# KiCad board Lime_RFE.kicad_pcb (continued)
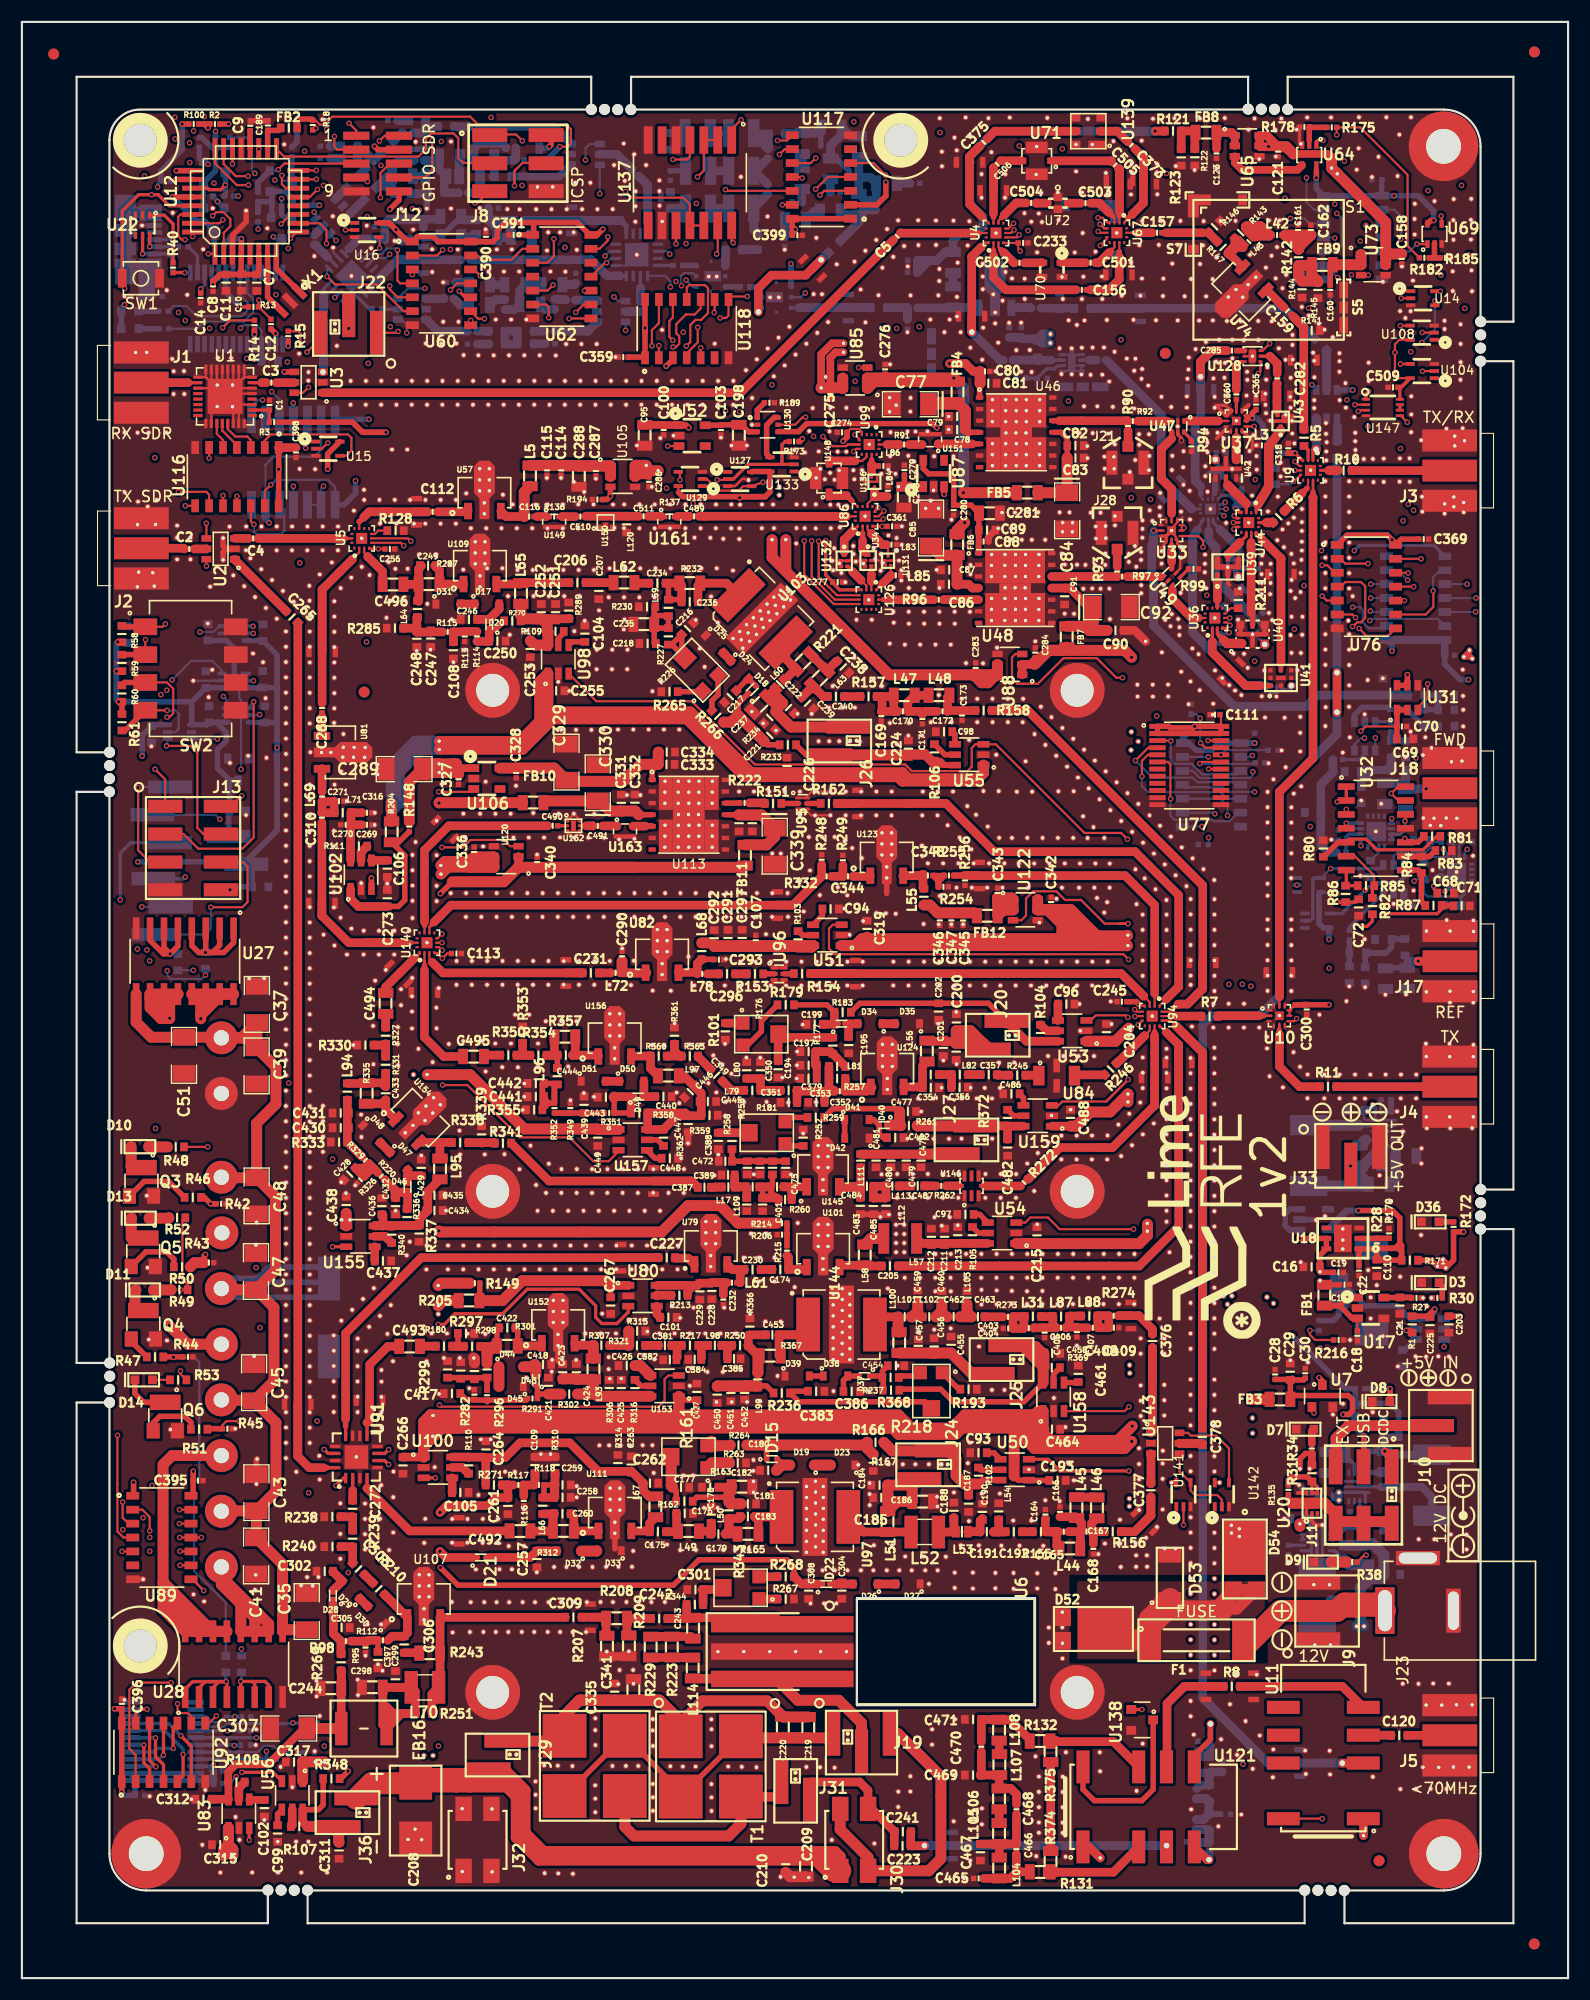
[diagram p0: board, top side]
## Nets (continued)
/Cell/BAND38_TXRX: C282.1 P69.2 U43.4
/Cell/LIMITER_CELL/IN: C116.2 R136.2 U149.1
/Cell/LIMITER_CELL/OUT: C489.1 U86.13
/Cell/LNA/IN: C73.1 P57.2 U35.13
/Cell/LNA_EN_2V5: U118.10 U147.5
/Cell/LNA_PD_2V5: R89.1 U147.3
/Cell/PA1_CPL: U33.11 U47.4
/Cell/PA1_EN_2V5: U52.3 U85.3 U118.3
/Cell/PA2_CPL: U33.5 U49.6
/Cell/PA2_EN_2V5: U87.3 U88.3 U118.4
/Cell/PA_1_2_3/IN: R96.2 U126.13
/Cell/PA_1_2_3/OUT: U36.13 U49.3
/Cell/PA_1_2_3/VREF: C88.1 C89.1 C280.1 C281.1 U48.1 U87.5
/Cell/PA_7_38/IN: R91.2 U99.13
/Cell/PA_7_38/OUT: U37.2 U47.1
/Cell/PA_7_38/VREF: C80.1 C81.1 U46.1 U130.4
/Cell/PRED_EN_2V5: R194.2 U105.3 U118.5
/Cell/RX: C76.2 P56.2 TRANS_VIA#7.1 U4.1
/Cell/SW1_V1_2V5: U44.7 U76.10
/Cell/SW1_V2_2V5: U44.6 U76.11
/Cell/SW1_V3_2V5: U44.5 U76.12
/Cell/SW2_CTRL_2V5: U37.7 U76.2 U119.13
/Cell/SW3_V2_2V5: U36.6 U76.4
/Cell/SW3_V3_2V5: U36.5 U76.5
/Cell/SW4_V1_2V5: U35.7 U119.10
/Cell/SW4_V2_2V5: U35.6 U119.12
/Cell/SW4_V3_2V5: U35.5 U119.11
/Cell/SW5_V1_2V5: U86.7 U118.13 U119.2
/Cell/SW5_V2_2V5: U86.6 U118.12
/Cell/SW5_V3_2V5: U86.5 U118.11
/Cell/SW6_V1_2V5: U99.7 U119.5 U126.7
/Cell/SW6_V2_2V5: U99.6 U119.4 U126.6
/Cell/SW6_V3_2V5: U99.5 U119.3 U126.5
/Cell/SW_CPL_CTRL_2V5: U33.7 U76.3
/Cell/TDD_SW_V1: U127.4 U128.1 U129.2 U147.1
/Cell/TDD_SW_V2: U128.3 U129.4
/Cell/TX: C112.1 P44.2 U5.10
/Cell/TXRX: R6.2 U44.13
/Cell/VIA_U35_U39: L123.2 TRANS_VIA#2.1 U39.3 U165.1
/Cell/VIA_U35_U40: TRANS_VIA.1 U40.3 U164.1
/Cell/VIA_U35_U41: TRANS_VIA#6.1 U41.3 U160.1
/Cell/VIA_U35_U42: L125.2 TRANS_VIA#3.1 U42.3 U166.1
/Cell/VIA_U42_U44: U42.6 U44.3
/CPL: R65.1 R68.1 U33.2
/DATA1: U15.4 U116.2
/DATA2: U60.2 U117.13
/DATA3: U62.13 U68.2
/DATA4: U68.13 U118.2
/DATA5: U75.2 U76.13
/DATA_CLK: U16.4 U60.8 U62.8 U68.8 U75.8 U76.8 U89.8 U92.8 U116.8 U117.8 U118.8 U119.8
/DATA_RESET: U14.4 U60.9 U62.9 U68.9 U75.9 U76.9 U89.9 U92.9 U116.9 U117.9 U118.9 U119.9
/FAN/FAN_POWER_5V: C225.1 P1.2 R1.2 U110.6
/FAN_EN: U110.3 U119.6
/FAN_SENSE: R216.2 R235.2 U12.2
/GAMMA_DB: C72.1 J7.1 R86.1
/GPIO4: J12.5 Q8.S R188.1
/GPIO5: J12.6 J22.1 Q7.S R187.1
/GPIO_ADC1: J6.3 J13.3
/GPIO_ADC2: J7.3 J13.6
/GPIO_Subsystem/DIR_GPIO0: R58.1 SW2.1 U23.5
/GPIO_Subsystem/DIR_GPIO1: R59.1 SW2.2 U24.5
/GPIO_Subsystem/DIR_GPIO2: R60.1 SW2.3 U25.5
/GPIO_Subsystem/DIR_GPIO3: R61.1 SW2.4 U26.5
/GPIO_Subsystem/GPIO0: J12.1 R42.2 R46.2 R54.2 U23.3
/GPIO_Subsystem/GPIO0_LS: J13.1 U23.4
/GPIO_Subsystem/GPIO1: J12.2 R43.2 R50.2 R55.2 U24.3
/GPIO_Subsystem/GPIO1_LS: J13.8 U24.4
/GPIO_Subsystem/GPIO2: J12.3 R44.2 R47.2 R56.2 U25.3
/GPIO_Subsystem/GPIO2_LS: J13.2 U25.4
/GPIO_Subsystem/GPIO3: J22.2 R45.2 R51.2 R57.2 U26.3
/GPIO_Subsystem/GPIO3_CONN: J12.4 J22.3
/GPIO_Subsystem/GPIO3_LS: J13.7 U26.4
/GPIO_Subsystem/RELAY_0: J16.7 U27.13 U27.14 U27.15 U27.16
/GPIO_Subsystem/RELAY_1: J16.5 U27.10 U27.11 U27.12
/GPIO_Subsystem/RELAY_2: J16.3 U28.13 U28.14 U28.15 U28.16
/GPIO_Subsystem/RELAY_3: J16.1 U28.10 U28.11 U28.12
/LNA_EN: R175.1 R182.1 U12.1
/MCU/DATA_5V: U12.10 U15.2
/MCU/DATA_CLK_5V: U12.9 U16.2
/MCU/DATA_RESET_5V: R18.1 U12.11 U14.2
/MCU/GPIO4_MCU: Q8.D R186.1 U12.14
/MCU/GPIO5_MCU: Q7.D R2.1 R100.2 U12.13
/MCU/MISO: J8.1 U12.16
/MCU/MOSI: J8.4 U12.15
/MCU/RESET: C12.1 J8.5 R13.2 SW1.2 U12.29
/MCU/RX: R15.1 U13.1
/MCU/RX_SW_0_MCU: U12.24 U104.2
/MCU/RX_SW_1_MCU: U12.23 U108.2
/MCU/SCK: J8.3 U12.17
/MCU/SCL_MCU: Q1.D R19.1 U12.28
/MCU/SDA_MCU: Q2.D R20.1 U12.27
/MCU/TX: R14.1 U13.5
/PA_ENn: R168.1 U12.32
/PFWDF_DB: C71.1 J6.1 R87.1
/PowerSupply/+12EXT: D52.1 D53.1 D54.2 F1.1
/RX_H/BPF920/IN: C373.2 P106.2 U67.1
/RX_H/BPF1300/IN: C501.2 U67.9
/RX_H/BPF2400/IN: C505.2 P104.2 U67.2
/RX_H/BPF3500/IN: C503.2 U67.3
/RX_H/FSEL_OUT_V1_2V5: U67.7 U68.12
/RX_H/FSEL_OUT_V2_2V5: U67.6 U68.11
/RX_H/FSEL_OUT_V3_2V5: U67.5 U68.10
/RX_H/LNA_EN_2V5: U68.5 U69.1
/RX_H/LNA_H/LNA_EN: U69.4 U73.3
/RX_H/LNA_H/RF_OUT: C157.2 R146.2 R147.1
/RX_H/RF_0_OUT: C375.1 P99.2 U4.11
/RX_H/RF_1_OUT: C506.1 P100.2 U4.10
/RX_H/RF_2_OUT: C504.1 U4.9
/RX_H/RF_3_OUT: C502.1 U4.3
/RX_H/RF_4_OUT: C156.2 U4.2
/RX_H/RF_IN: C159.2 P108.2 R5.2 R141.1
/RX_L/BPF30/IN: R370.2 U134.1
/RX_L/BPF30/OUT: R371.1 U38.3
/RX_L/BPF60/IN: C146.2 U134.3
/RX_L/BPF60/OUT: L30.1 U38.1
/RX_L/BPF145/IN: C497.1 U135.3
/RX_L/BPF145/OUT: C498.2 U93.1
/RX_L/BPF220/IN: C145.1 U135.1
/RX_L/BPF220/OUT: C372.1 U93.3
/RX_L/BPF440/IN: C499.1 P88.2 U59.9
/RX_L/BPF440/OUT: C500.2 U58.4
/RX_L/FSEL_IN_V1_2V5: U58.1 U60.6
/RX_L/FSEL_IN_V2_2V5: U58.6 U60.4
/RX_L/FSEL_IN_V3_2V5: U58.7 U60.5
/RX_L/FSEL_IN_V4_2V5: U58.14 U60.3
/RX_L/FSEL_OUT_V1_2V5: U59.1 U62.5
/RX_L/FSEL_OUT_V2_2V5: U59.6 U62.11
/RX_L/FSEL_OUT_V3_2V5: U59.7 U62.10
/RX_L/FSEL_OUT_V4_2V5: U59.14 U62.6
/RX_L/LNA_EN_2V5: U60.10 U64.1
/RX_L/LNA_L/LNA_EN: U64.4 U65.3
/RX_L/LNA_L/RF_OUT: P95.2 R125.1 U63.6
/RX_L/Notch/IN: P94.2 R126.2 TRANS_VIA#9.1 TRANS_VIA#10.1 U63.1
/RX_L/Notch/OUT: R127.1 U61.1
/RX_L/NOTCH_2V5: U61.5 U62.3 U63.5
/RX_L/RF_L_IN: C294.1 P96.2 R119.2
/RX_L/RF_L_OUT: C117.1 U58.16
/RX_L/SW1_2V5: U60.12 U137.1
/RX_L/SW1_A: U38.6 U134.4 U137.4
/RX_L/SW1_B: U38.4 U134.6 U137.2 U137.3
/RX_L/SW2_2V5: U60.11 U137.13
/RX_L/SW2_A: U93.6 U135.4 U137.10
/RX_L/SW2_B: U93.4 U135.6 U137.11 U137.12
/SCL: J12.7 Q1.S R21.1
/SDA: J12.8 Q2.S R22.1
/SW1_A: U3.6 U115.4
/SW1_B: U3.4 U115.2 U115.3
/SW2_V1: U4.7 U117.3
/SW2_V2: U4.6 U117.4
/SW2_V3: U4.5 U117.5
/SW3_A: U2.6 U115.12
/SW3_B: U2.4 U115.6 U115.13
/SW4_V2: U5.6 U116.11
/SW4_V3: U5.5 U116.10
/SW5_A: U8.6 U115.8
/SW5_B: U8.4 U115.9 U115.10
/SW6_V2: U9.6 U104.4
/SW6_V3: U9.5 U108.4
/SW7_CTRL: U10.7 U117.11
/SWR_EN: U31.3 U117.10
/SWR_Meter_Subsystem/SW_A: U29.6 U30.6 U125.4
/SWR_Meter_Subsystem/SW_B: U29.4 U30.4 U114.4 U125.2
/SWR_SW_A: U114.2 U116.6
/TOP_CTR/SW1_2V5: U115.1 U116.13 U117.2
/TOP_CTR/SW3_2V5: U115.5 U116.12
/TOP_CTR/SW5_2V5: U115.11 U117.12
/TX_H2/HF_BANK/IN: C223.1 C241.1 P18.2 TRANS_VIA#12.1 TRANS_VIA#13.1 U121.4
/TX_H2/HF_BANK/LPF30/IN: R131.2 R374.2 U121.3
/TX_H2/HF_BANK/LPF30/OUT: R132.1 R375.1 U121.10
/TX_H2/HF_BANK/LPF70/IN: R275.2 TRANS_VIA#14.1 U121.5
/TX_H2/HF_BANK/LPF70/OUT: R276.1 TRANS_VIA#11.1 U121.8
/TX_H2/LPF145/IN: C192.1 R155.2
/TX_H2/LPF145/OUT: C377.1 P32.2 R156.1
/TX_H2/LPF220/IN: C463.1 R273.2
/TX_H2/LPF220/OUT: C376.2 P31.2 R274.1
/TX_H2/LPF435/IN: C240.1 R157.2
/TX_H2/LPF435/OUT: P35.2 R158.1 U94.14
/TX_H2/LPF920/IN: C487.1 R262.2
/TX_H2/LPF920/OUT: P30.2 R272.1 U94.10
/TX_H2/LPF1280/IN: C357.1 R245.2
/TX_H2/LPF1280/OUT: R246.1 U94.9
/TX_H2/LPF2400/IN: R151.2 R222.2
/TX_H2/LPF2400/OUT: P34.2 R152.1 U94.1
/TX_H2/LPF3500/IN: C296.1 R153.2
/TX_H2/LPF3500/OUT: P33.2 R154.1 U94.3
/TX_H2/PA30/RF_IN: C309.1 P9.2 R207.2 R208.2
/TX_H2/PA145/RF_IN: C175.2 L67.2 U111.3
/TX_H2/PA435/RF_IN: C206.2 L65.2 U109.3
/TX_H2/PA1000/RF_IN: C174.2 C230.1
/TX_H2/PA1000/RF_OUT: C205.1 P28.2 U94.11
/TX_H2/PA1280/RF_IN: C349.2 R363.1
/TX_H2/PA2400/RF_IN: C490.2 P14.2 U140.10
/TX_H2/PA2400/VREF: C328.1 C329.1 C333.1 C334.1 U106.5 U113.1
/TX_H2/PA3500/RF_IN: C231.2 P8.2 U140.3
/TX_H2/PA3500_EN: R169.2 U51.3 U77.18
/TX_H2/PA3500_EN_2V5: U75.6 U77.6
/TX_H2/PA4000/RF_IN: P15.2 R248.1 R332.2 U140.9
/TX_H2/PA4000/RF_OUT: P24.2 R255.1 R256.1 U94.2
/TX_H2/PA_70_EN: R199.2 U56.3 U78.15 U83.3
/TX_H2/PA_70_EN_2V5: U78.9 U92.6
/TX_H2/PA_145_EN: R198.2 U50.3 U78.16 U100.3
/TX_H2/PA_145_EN_2V5: U78.8 U92.5
/TX_H2/PA_220/RF_IN: C381.2 R321.1
/TX_H2/PA_220_EN: R197.2 U78.17 U153.3 U158.3
/TX_H2/PA_220_EN_2V5: U78.7 U92.4
/TX_H2/PA_435_EN: R159.2 U55.3 U77.21 U98.3
/TX_H2/PA_435_EN_2V5: U75.3 U77.3
/TX_H2/PA_920/RF_IN: C387.2 P17.2 R341.1
/TX_H2/PA_920_EN: R129.2 U78.20 U155.3 U159.3
/TX_H2/PA_920_EN_2V5: U78.4 U92.11
/TX_H2/PA_1000_EN: R196.2 U54.3 U78.18 U80.3
/TX_H2/PA_1000_EN_2V5: U78.6 U92.3
/TX_H2/PA_1280_EN: R195.2 U53.3 U78.21 U157.3
/TX_H2/PA_1280_EN_2V5: U78.3 U92.12
/TX_H2/PA_2400_EN: R160.2 U77.20 U106.3 U120.3
/TX_H2/PA_2400_EN_2V5: U75.4 U77.4
/TX_H2/PA_4000_EN: R164.2 U77.19 U122.3
/TX_H2/PA_4000_EN_2V5: U75.5 U77.5
/TX_H2/PDRIV30/RF_IN: C272.2 U91.2
/TX_H2/PDRIV145/RF_IN: C492.1 P5.2 U91.4
/TX_H2/PDRIV220/RF_IN: C493.1 P45.2 U91.9
/TX_H2/PDRIV920/RF_IN: C494.1 P6.2 U140.1
/TX_H2/PDRIV1000/PRED_VDD: C267.2 R149.2 R205.1 U80.1
/TX_H2/PDRIV1000/RF_IN: C227.2 P2.2 U91.12
/TX_H2/PDRIV1280/RF_IN: C495.1 P7.2 U140.2
/TX_H2/PDRIV_H_EN: R174.2 U78.19 U102.3
/TX_H2/PDRIV_H_EN_2V5: U78.5 U92.10
/TX_H2/PREDRIVER_H/PRED_VDD: C273.2 R148.2 R204.1 U102.1
/TX_H2/PREDRIVER_H/RF_OUT: C310.2 P112.2 U140.13
/TX_H2/R_CTRL_2V5: U92.13 U138.2
/TX_H2/RF_H_IN: C268.1 P109.2 U5.2
/TX_H2/RF_IN_435: C496.1 U5.3
/TX_H2/RF_L_IN: C265.1 P110.2 U91.16
/TX_H2/RF_OUT: R7.2 U94.13
/TX_H2/RF_OUT_30_70: P27.2 R8.2 U121.9
/TX_H2/SW145: U75.13 U89.2 U141.2
/TX_H2/SW145_A: U142.4 U143.6
/TX_H2/SW145_B: U141.4 U142.2 U143.4
/TX_H2/SW_IN_H_V1_2V5: U89.13 U92.2 U140.7
/TX_H2/SW_IN_H_V2_2V5: U89.12 U140.6
/TX_H2/SW_IN_H_V3_2V5: U89.11 U140.5
/TX_H2/SW_IN_L_V1_2V5: U89.3 U91.1
/TX_H2/SW_IN_L_V2_2V5: U89.4 U91.6
/TX_H2/SW_IN_L_V3_2V5: U89.5 U91.7
/TX_H2/SW_IN_L_V4_2V5: U89.10 U91.14
/TX_H2/SW_OUT_V1_2V5: U75.12 U94.7
/TX_H2/SW_OUT_V2_2V5: U75.11 U94.6
/TX_H2/SW_OUT_V3_2V5: U75.10 U94.5
/USB_DM: R39.1 U13.16
/USB_DP: R40.1 U13.15
VCOM: C32.1 C35.1 C37.1 C39.1 C41.1 C43.1 C45.1 C47.1 C48.1 C51.1 J15.2 J16.2 J16.4 J16.6 J16.8 U27.9 U28.9
Net-(C1-Pad1): C1.1 R3.2 U1.2
Net-(C2-Pad1): C2.1 U2.5
Net-(C2-Pad2): C2.2 J2.1
Net-(C3-Pad1): C3.1 U3.5
Net-(C3-Pad2): C3.2 U1.7
Net-(C4-Pad1): C4.1 U5.13
Net-(C4-Pad2): C4.2 U2.3
Net-(C5-Pad1): C5.1 U4.13
Net-(C5-Pad2): C5.2 U3.1
Net-(C6-Pad1): C6.1 TRANS_VIA#4.1 U9.2
Net-(C6-Pad2): C6.2 U8.3
Net-(C9-Pad2): C9.2 U12.20
Net-(C12-Pad2): C12.2 U13.2
Net-(C14-Pad1): C14.1 U13.17
Net-(C17-Pad1): C17.1 U19.9
Net-(C18-Pad1): C18.1 FB1.2 U17.1 U17.3
Net-(C21-Pad2): C21.2 R27.2 U17.5
Net-(C24-Pad1): C24.1 U21.9
Net-(C26-Pad2): C26.2 L2.1 R32.2 R36.2 R37.2 U21.6
Net-(C31-Pad1): C31.1 CON1.6 R41.1
Net-(C52-Pad1): C52.1 R67.1 R70.1 R73.2
Net-(C53-Pad1): C53.1 R68.2 R71.1 R74.2
Net-(C54-Pad1): C54.1 R69.1 R72.1 R75.2
Net-(C55-Pad1): C55.1 C58.1 R73.1
Net-(C56-Pad1): C56.1 C59.1 R74.1
Net-(C57-Pad1): C57.1 C60.1 R75.1
Net-(C58-Pad2): C58.2 U30.3
Net-(C59-Pad2): C59.2 U29.1
Net-(C60-Pad2): C60.2 U29.3
Net-(C61-Pad1): C61.1 U29.5
Net-(C61-Pad2): C61.2 C63.1 R76.1
Net-(C62-Pad1): C62.1 U30.5
Net-(C62-Pad2): C62.2 C65.1 R77.1
Net-(C63-Pad2): C63.2 IC1.2
Net-(C64-Pad2): C64.2 IC1.3
Net-(C65-Pad2): C65.2 IC2.2
Net-(C66-Pad2): C66.2 IC2.3
Net-(C67-Pad2): C67.2 IC1.14
Net-(C68-Pad2): C68.2 IC2.14
Net-(C73-Pad2): C73.2 U45.2
Net-(C76-Pad1): C76.1 L4.2 U45.7
Net-(C77-Pad1): C77.1 C78.1 C79.1 FB4.1 U46.4
Net-(C82-Pad1): C82.1 C83.1 C84.1 FB5.1 U46.11
Net-(C85-Pad1): C85.1 C86.1 C87.1 FB6.1 U48.4
Net-(C90-Pad1): C90.1 C91.1 C92.1 FB7.1 U48.11
Net-(C93-Pad1): C93.1 U50.4
Net-(C94-Pad1): C94.1 U51.4
Net-(C96-Pad1): C96.1 U53.4
Net-(C97-Pad1): C97.1 U54.4
Net-(C98-Pad1): C98.1 U55.4
Net-(C99-Pad1): C99.1 U56.4
Net-(C101-Pad1): C101.1 U80.4
Net-(C102-Pad1): C102.1 U83.4
Net-(C103-Pad1): C103.1 C198.1 U52.5 U130.3
Net-(C104-Pad1): C104.1 U98.4
Net-(C105-Pad1): C105.1 U100.4
Net-(C106-Pad1): C106.1 U102.4
Net-(C107-Pad1): C107.1 C291.1 C292.1 C297.1 L68.1 R103.1 U51.6
Net-(C108-Pad1): C108.1 R113.2 R114.1 R115.2
Net-(C109-Pad1): C109.1 R116.2 R117.1 R118.2
Net-(C110-Pad1): C22.1 C110.1 R28.2 R171.2 U18.1 U112.5
Net-(C112-Pad2): C112.2 U57.1
Net-(C114-Pad1): C114.1 C115.1 C287.1 C288.1 L5.1 U105.1 U105.2
Net-(C116-Pad1): C116.1 L5.2 U57.3
Net-(C117-Pad2): C117.2 TRANS_VIA#8.1 U3.3
Net-(C118-Pad1): C118.1 P79.2 U58.9
Net-(C118-Pad2): C118.2 U59.4
Net-(C119-Pad1): C119.1 U61.6
Net-(C119-Pad2): C119.2 U59.16
Net-(C120-Pad1): C120.1 J5.1
Net-(C120-Pad2): C120.2 U11.4
Net-(C122-Pad1): C122.1 U66.1
Net-(C122-Pad2): C122.2 R119.1 R120.2
Net-(C123-Pad1): C123.1 FB8.2 U65.1 U65.2
Net-(C124-Pad2): C124.2 C125.2 L6.1 R121.1
Net-(C126-Pad1): C126.1 R124.2 R125.2
Net-(C126-Pad2): C126.2 L7.2 U66.3
Net-(C127-Pad1): C127.1 L9.2
Net-(C128-Pad1): C128.1 C130.2 L10.1 L11.1 L12.2
Net-(C128-Pad2): C128.2 L8.1 L10.2 R126.1
Net-(C129-Pad1): C129.1 L11.2
Net-(C130-Pad1): C130.1 C132.2 L12.1 L13.1 L14.2
Net-(C131-Pad1): C131.1 L13.2
Net-(C132-Pad1): C132.1 C134.2 L14.1 L15.1
Net-(C133-Pad1): C133.1 L16.2
Net-(C134-Pad1): C134.1 C136.2 L18.1
Net-(C135-Pad1): C135.1 L19.2
Net-(C136-Pad1): C136.1 C138.2 L21.1
Net-(C137-Pad1): C137.1 L22.2
Net-(C138-Pad1): C138.1 C140.2 L24.1
Net-(C139-Pad1): C139.1 L25.2
Net-(C140-Pad1): C140.1 R127.2
Net-(C141-Pad1): C141.1 U58.2
Net-(C141-Pad2): C141.2 U38.5
Net-(C142-Pad1): C142.1 U58.12
Net-(C142-Pad2): C142.2 U93.5
Net-(C143-Pad1): C143.1 U134.5
Net-(C143-Pad2): C143.2 P90.2 U59.12
Net-(C144-Pad1): C144.1 U135.5
Net-(C144-Pad2): C144.2 U59.2
Net-(C145-Pad2): C145.2 L115.2
Net-(C146-Pad1): C146.1 L20.2
Net-(C147-Pad1): C147.1 L23.2
Net-(C148-Pad1): C148.1 L32.2
Net-(C148-Pad2): C148.2 C497.2
Net-(C149-Pad1): C149.1 L34.2
Net-(C150-Pad1): C150.1 L35.2
Net-(C151-Pad1): C151.1 L36.2
Net-(C151-Pad2): C151.2 L32.1 L33.1 L35.1
Net-(C152-Pad1): C152.1 C153.2 C499.2 L37.1 L38.2
Net-(C153-Pad1): C153.1 C154.2 L39.1 L40.2
Net-(C154-Pad1): C154.1 C155.1 C500.1 L40.1 L41.1
Net-(C156-Pad1): C156.1 P105.2 U67.10
Net-(C157-Pad1): C157.1 U67.13
Net-(C159-Pad1): C159.1 U74.1
Net-(C160-Pad1): C160.1 FB9.2 U73.1 U73.2
Net-(C161-Pad2): C161.2 C162.2 L42.1 R142.1
Net-(C164-Pad1): C164.1 C165.2 L44.2 R155.1
Net-(C165-Pad1): C165.1 C166.1 C167.2 L44.1 L45.2
Net-(C167-Pad1): C167.1 C168.1 L46.1 R156.2
Net-(C169-Pad1): C169.1 C170.2 L47.2 R157.1
Net-(C170-Pad1): C170.1 C171.1 C172.2 L47.1 L48.2
Net-(C172-Pad1): C172.1 C173.1 L48.1 R158.2
Net-(C174-Pad1): C174.1 R215.1 U101.1
Net-(C175-Pad1): C175.1 C176.1 L49.2
Net-(C177-Pad2): C177.2 R161.2 R162.2
Net-(C178-Pad1): C178.1 C179.2 L49.1
Net-(C179-Pad1): C179.1 C183.2 L50.2 R165.2
Net-(C180-Pad1): C180.1 D15.2 D19.2
Net-(C181-Pad1): C181.1 C182.2 L50.1 R162.1 R163.2
Net-(C183-Pad1): C183.1 R165.1 U97.1
Net-(C184-Pad1): C184.1 D15.1 R166.1 R264.2
Net-(C185-Pad2): C185.2 C186.1 J24.1 L51.1 R167.1
Net-(C187-Pad1): C187.1 J24.2 R102.1 R166.2 U50.6
Net-(C188-Pad1): C188.1 L52.1 L53.2
Net-(C189-Pad2): C189.2 FB2.1 U12.18
Net-(C190-Pad1): C190.1 C191.1 L53.1
Net-(C191-Pad2): C191.2 C192.2 L54.1
Net-(C194-Pad2): C194.2 R176.2 R177.1
Net-(C195-Pad1): C195.1 D16.2 D34.2
Net-(C196-Pad1): C196.1 C197.1 C379.1 L81.1 R177.2
Net-(C199-Pad1): C199.1 D16.1 R179.1 R183.1
Net-(C200-Pad2): C200.2 C201.2 C380.2 J20.1 L56.1
Net-(C202-Pad1): C202.1 J20.2 R104.1 R183.2 U53.6
Net-(C205-Pad2): C205.2 L58.2 U101.3
Net-(C206-Pad1): C206.1 C207.1 L62.2
Net-(C208-Pad1): C208.1 C209.2 C210.2 J29.1 J30.1 J36.1
Net-(C211-Pad2): C211.2 C212.2 C213.1 L57.1 R105.1 U54.6
Net-(C214-Pad1): C214.1 U110.4
Net-(C216-Pad2): C216.2 R226.2 R227.1
Net-(C217-Pad1): C217.1 D18.2 D24.2
Net-(C218-Pad1): C218.1 C235.1 L59.1 R227.2 R230.2
Net-(C219-Pad1): C219.1 C220.1 J19.1 T1.1 T1.3 T2.1 T2.3
Net-(C219-Pad2): C219.2 C220.2 C335.2 C341.2 J29.2 T1.2 T2.2
Net-(C221-Pad1): C221.1 D18.1 R233.1 R266.2
Net-(C222-Pad2): C222.2 C237.2 J26.1 L60.1 R234.2
Net-(C223-Pad2): C223.2 C241.2 J30.3 J31.2
Net-(C224-Pad1): C224.1 J26.2 R106.1 R233.2 U55.6
Net-(C227-Pad1): C227.1 U79.1
Net-(C228-Pad1): C228.1 C229.1 C232.1 L61.1 R213.1 U80.6
Net-(C230-Pad2): C230.2 L61.2 U79.3
Net-(C231-Pad1): C231.1 L72.2
Net-(C234-Pad1): C234.1 C236.2 L59.2 R232.2
Net-(C234-Pad2): C234.2 L62.1
Net-(C236-Pad1): C236.1 R232.1 U103.1
Net-(C238-Pad1): C238.1 L63.2 R221.1
Net-(C239-Pad1): C239.1 C240.2 L63.1
Net-(C242-Pad1): C242.1 C243.2 R344.2 U6.1
Net-(C242-Pad2): C242.2 R208.1 R209.2
Net-(C243-Pad1): C243.1 R223.1 R229.1
Net-(C244-Pad1): C244.1 C307.1 C312.1 FB16.1 R108.1 R269.1 U83.6
Net-(C246-Pad1): C246.1 D17.2 D20.2
Net-(C247-Pad1): C247.1 C248.1 L64.1 R115.1 R285.2
Net-(C249-Pad1): C249.1 R287.1 U109.1
Net-(C249-Pad2): C249.2 C496.2 L64.2 R287.2
Net-(C250-Pad1): C250.1 D20.1 R114.2 R270.2
Net-(C251-Pad2): C251.2 C252.2 C253.1 L65.1 R109.1 R270.1 R289.1 U98.6
Net-(C254-Pad1): C254.1 L26.2
Net-(C257-Pad1): C257.1 D21.2 D32.2
Net-(C258-Pad1): C258.1 C259.1 L66.1 R118.1 R310.1
Net-(C260-Pad1): C260.1 R312.1 U111.1
Net-(C260-Pad2): C260.2 C492.2 L66.2 R312.2
Net-(C261-Pad1): C261.1 D21.1 R117.2 R271.2
Net-(C262-Pad2): C262.2 C263.2 C264.1 L67.1 R110.1 R271.1 R314.2 U100.6
Net-(C265-Pad2): C265.2 U2.1
Net-(C268-Pad2): C268.2 U81.1
Net-(C269-Pad2): C269.2 C270.2 C316.1 L71.1 R111.1 U102.6
Net-(C271-Pad1): C271.1 C310.1 L69.1 L71.2
Net-(C272-Pad1): C272.1 R238.2 R239.1
Net-(C282-Pad2): C282.2 U128.2
Net-(C285-Pad1): C285.1 U128.4
Net-(C290-Pad1): C290.1 L72.1 U82.1
Net-(C293-Pad1): C293.1 L68.2 L78.2 U82.3
Net-(C294-Pad2): C294.2 U8.5
Net-(C295-Pad1): C295.1 L27.2
Net-(C295-Pad2): C295.2 L20.1 L23.1 L26.1
Net-(C296-Pad2): C296.2 L78.1
Net-(C298-Pad1): C298.1 C299.1 FB16.2 L70.1 R251.2
Net-(C301-Pad2): C301.2 R343.2 R344.1
Net-(C302-Pad1): C302.1 D28.2 D29.2
Net-(C303-Pad1): C303.1 R210.2
Net-(C303-Pad2): C303.2 R239.2 R240.2
Net-(C304-Pad1): C304.1 D22.2 D26.2
Net-(C305-Pad1): C305.1 D28.1 R98.2 R269.2
Net-(C306-Pad1): C306.1 R243.1
Net-(C306-Pad2): C306.2 R112.1 R210.1 U107.1
Net-(C308-Pad1): C308.1 D22.1 R268.2 R348.1
Net-(C309-Pad2): C309.2 L70.2 R243.2 R251.1 U107.3
Net-(C311-Pad1): C311.1 J36.2 R107.1 R348.2 U56.6
Net-(C313-Pad2): C313.2 U8.1
Net-(C314-Pad1): C314.1 L28.2
Net-(C320-Pad1): C320.1 C321.2 L73.2 R370.1
Net-(C321-Pad1): C321.1 C322.1 C323.2 L73.1 L74.2
Net-(C323-Pad1): C323.1 C324.1 C325.2 L75.1 L76.2
Net-(C325-Pad1): C325.1 C326.1 L77.1 R371.2
Net-(C330-Pad1): C330.1 C331.1 C332.1 FB10.1 U113.4
Net-(C337-Pad1): C337.1 C338.1 C339.1 FB11.1 U113.11
Net-(C343-Pad1): C343.1 FB12.2 U122.1 U122.2
Net-(C344-Pad1): C344.1 U123.1
Net-(C344-Pad2): C344.2 R249.1 R332.1
Net-(C345-Pad1): C345.1 C346.2 C347.2 FB12.1 L55.1
Net-(C348-Pad1): C348.1 R254.1 R255.2
Net-(C348-Pad2): C348.2 L55.2 U123.3
Net-(C349-Pad1): C349.1 L79.2
Net-(C350-Pad2): C350.2 C351.2 L79.1 L80.1
Net-(C351-Pad1): C351.1 C352.1 C353.2 L81.2 R181.2 R257.2
Net-(C353-Pad1): C353.1 R257.1 U124.1
Net-(C354-Pad1): C354.1 C355.1 L56.2 U124.3
Net-(C355-Pad2): C355.2 C356.1 L82.2
Net-(C357-Pad2): C357.2 L82.1
Net-(C358-Pad2): C358.2 U30.1
Net-(C360-Pad1): C360.1 U128.6
Net-(C366-Pad1): C366.1 L29.2
Net-(C367-Pad1): C367.1 L30.2
Net-(C367-Pad2): C367.2 L27.1 L28.1 L29.1
Net-(C370-Pad1): C370.1 L116.1
Net-(C371-Pad1): C371.1 L117.1
Net-(C372-Pad2): C372.2 L118.1
Net-(C373-Pad1): C373.1 U139.2
Net-(C375-Pad2): C375.2 U139.5
Net-(C376-Pad1): C376.1 U143.1
Net-(C377-Pad2): C377.2 U143.3
Net-(C378-Pad1): C378.1 U143.5
Net-(C378-Pad2): C378.2 U94.12
Net-(C381-Pad1): C381.1 C382.1 R217.2
Net-(C383-Pad2): C383.2 R218.2 R236.1
Net-(C384-Pad1): C384.1 L98.2 R217.1
Net-(C385-Pad1): C385.1 L98.1 R250.2
Net-(C386-Pad1): C386.1 D37.2 D38.2
Net-(C387-Pad1): C387.1 L17.2
Net-(C388-Pad2): C388.2 R253.2 R258.1
Net-(C389-Pad2): C389.2 C400.2 L17.1 L109.1
Net-(C393-Pad1): C393.1 U90.9
Net-(C397-Pad1): C397.1 R95.1 R98.1 R112.2
Net-(C400-Pad1): C400.1 C401.1 C476.2 L110.2 R260.2
Net-(C402-Pad1): C402.1 D40.2 D41.2
Net-(C403-Pad1): C403.1 C404.2 L31.2 R273.1
Net-(C404-Pad1): C404.1 C405.1 C406.2 L31.1 L87.2
Net-(C406-Pad1): C406.1 C407.1 C408.2 L87.1 L88.2
Net-(C408-Pad1): C408.1 C409.1 L88.1 R274.2
Net-(C410-Pad1): C410.1 C411.2 L89.2 R275.1
Net-(C411-Pad1): C411.1 C412.1 C413.2 L89.1 L90.2
Net-(C413-Pad1): C413.1 C414.1 C415.2 L90.1 L91.2
Net-(C415-Pad1): C415.1 C416.1 L91.1 R276.2
Net-(C417-Pad1): C417.1 R282.2 R291.1 R296.2
Net-(C418-Pad1): C418.1 D43.2 D44.2
Net-(C419-Pad1): C419.1 C420.1 L92.1 R296.1 R299.1
Net-(C421-Pad1): C421.1 D43.1 R291.2 R302.2
Net-(C422-Pad1): C422.1 R301.1 U152.1
Net-(C422-Pad2): C422.2 L92.2 R298.1 R301.2
Net-(C423-Pad2): C423.2 C424.2 C425.1 L93.1 R302.1 R306.2 R316.1 U153.6
Net-(C426-Pad1): C426.1 U153.4
Net-(C428-Pad1): C428.1 R220.1 R326.2 R329.2
Net-(C429-Pad1): C429.1 D46.2 D47.2
Net-(C430-Pad1): C430.1 C431.1 L94.1 R329.1 R333.1
Net-(C432-Pad1): C432.1 D46.1 R220.2 R336.2
Net-(C433-Pad1): C433.1 R335.1 U154.1
Net-(C433-Pad2): C433.2 L94.2 R331.1 R335.2
Net-(C434-Pad2): C434.2 C435.2 C436.1 L95.1 R336.1 R337.2 R340.1 U155.6
Net-(C437-Pad1): C437.1 U155.4
Net-(C439-Pad1): C439.1 R349.2 R351.1 R352.2
Net-(C440-Pad1): C440.1 D49.2 D50.2
Net-(C441-Pad1): C441.1 C442.1 L96.1 R352.1 R355.1
Net-(C443-Pad1): C443.1 D49.1 R351.2 R358.2
Net-(C444-Pad1): C444.1 R357.1 U156.1
Net-(C444-Pad2): C444.2 L96.2 R354.1 R357.2
Net-(C445-Pad2): C445.2 C446.2 C447.1 L97.1 R358.1 R359.2 R362.1 U157.6
Net-(C448-Pad1): C448.1 U157.4
Net-(C450-Pad1): C450.1 C451.1 C452.1 L99.1 R236.2
Net-(C453-Pad1): C453.1 R367.1 U144.1
Net-(C453-Pad2): C453.2 L99.2 R250.1 R366.2 R367.2
Net-(C454-Pad1): C454.1 D37.1 R237.2 R368.1
Net-(C455-Pad2): C455.2 C456.2 C457.2 J25.1 L100.1
Net-(C458-Pad1): C458.1 J25.2 R368.2 R369.1 U158.6
Net-(C459-Pad2): C459.2 L101.1 L102.2
Net-(C460-Pad1): C460.1 C462.2 L102.1
Net-(C461-Pad1): C461.1 U158.4
Net-(C462-Pad1): C462.1 C463.2 L103.1
Net-(C465-Pad1): C465.1 C466.2 L104.2 R131.1
Net-(C466-Pad1): C466.1 C467.1 C468.2 L104.1 L105.2
Net-(C468-Pad1): C468.1 C469.1 C470.2 L106.1 L107.2
Net-(C470-Pad1): C470.1 C471.1 L108.1 R132.2
Net-(C472-Pad1): C472.1 C473.1 C474.1 C475.1 L110.1 R258.2
Net-(C476-Pad1): C476.1 R260.1 U145.1
Net-(C477-Pad1): C477.1 D40.1 R259.1 R261.1
Net-(C478-Pad2): C478.2 C479.2 C480.2 C481.2 J27.1 L111.1
Net-(C482-Pad1): C482.1 J27.2 R261.2 R372.1 U159.6
Net-(C483-Pad1): C483.1 C484.2 L111.2 U145.3
Net-(C484-Pad1): C484.1 C485.1 L112.2 L113.2
Net-(C486-Pad1): C486.1 U159.4
Net-(C487-Pad2): C487.2 L113.1
Net-(C489-Pad2): C489.2 R137.1 U161.2
Net-(C490-Pad1): C490.1 U162.2
Net-(C491-Pad1): C491.1 U163.1
Net-(C491-Pad2): C491.2 U162.5
Net-(C493-Pad2): C493.2 R180.2
Net-(C494-Pad2): C494.2 R327.2
Net-(C495-Pad2): C495.2 R350.2
Net-(C498-Pad1): C498.1 L36.1
Net-(C501-Pad1): C501.1 U70.1
Net-(C502-Pad2): C502.2 U70.2
Net-(C503-Pad1): C503.1 U72.2
Net-(C504-Pad2): C504.2 U72.4
Net-(C505-Pad1): C505.1 U71.1
Net-(C506-Pad2): C506.2 U71.2
Net-(C508-Pad2): C508.2 J33.2 L119.1 R12.2 R134.2 U90.6
Net-(C510-Pad1): C510.1 C511.2 L120.1 U150.4 U150.5 U150.6
Net-(C510-Pad2): C510.2 R136.1 U149.2
Net-(C511-Pad1): C511.1 R137.2 U161.1
Net-(CON1-Pad2): CON1.2 R39.2 U22.6
Net-(CON1-Pad3): CON1.3 R40.2 U22.1
Net-(CON1-Pad4): CON1.4
Net-(D1-Pad2): D1.2 R16.2
Net-(D2-Pad2): D2.2 R17.2
Net-(D3-Pad1): D3.1 R30.1
Net-(D7-Pad1): D7.1 R34.1
Net-(D8-Pad1): D8.1 R35.1
Net-(D9-Pad1): D9.1 R38.1
Net-(D10-Pad1): D10.1 R48.1
Net-(D10-Pad2): D10.2 Q3.3
Net-(D11-Pad1): D11.1 R49.1
Net-(D11-Pad2): D11.2 Q4.3
Net-(D13-Pad1): D13.1 R52.1
Net-(D13-Pad2): D13.2 Q5.3
Net-(D14-Pad1): D14.1 R53.1
Net-(D14-Pad2): D14.2 Q6.3
Net-(D17-Pad1): D17.1 D31.2
Net-(D19-Pad1): D19.1 D23.2
Net-(D24-Pad1): D24.1 D25.2
Net-(D26-Pad1): D26.1 D27.2
Net-(D29-Pad1): D29.1 D30.2
Net-(D32-Pad1): D32.1 D33.2
Net-(D34-Pad1): D34.1 D35.2
Net-(D36-Pad1): D36.1 R172.2
Net-(D38-Pad1): D38.1 D39.2
Net-(D41-Pad1): D41.1 D42.2
Net-(D44-Pad1): D44.1 D45.2
Net-(D47-Pad1): D47.1 D48.2
Net-(D50-Pad1): D50.1 D51.2
Net-(F1-Pad2): F1.2 J9.2 J23.1
Net-(FB8-Pad1): FB8.1 R121.2 R122.2 R123.2
Net-(FB9-Pad1): FB9.1 R142.2 R144.2 R145.2
Net-(IC1-Pad5): IC1.5
Net-(IC1-Pad6): IC1.6
Net-(IC1-Pad7): IC1.7
Net-(IC1-Pad8): IC1.8
Net-(IC1-Pad9): IC1.9 IC2.9 R78.1 R79.2
Net-(IC1-Pad11): IC1.11 IC1.12 U32.12
Net-(IC1-Pad13): IC1.13
Net-(IC1-Pad15): IC1.15
Net-(IC1-Pad16): IC1.16
Net-(IC2-Pad5): IC2.5
Net-(IC2-Pad6): IC2.6
Net-(IC2-Pad7): IC2.7
Net-(IC2-Pad8): IC2.8
Net-(IC2-Pad11): IC2.11 IC2.12 U32.3
Net-(IC2-Pad13): IC2.13
Net-(IC2-Pad15): IC2.15
Net-(IC2-Pad16): IC2.16
Net-(J1-Pad1): J1.1 U1.18
Net-(J3-Pad1): J3.1 R10.1
Net-(J4-Pad1): J4.1 R11.1
Net-(J6-Pad2): J6.2 U12.22
Net-(J7-Pad2): J7.2 U12.19
Net-(J10-Pad2): J10.2 J11.5
Net-(J11-Pad2): J11.2 J11.4 J11.6 R135.2 U20.1
Net-(J17-Pad1): J17.1 R62.1 R64.1 R67.2
Net-(J18-Pad1): J18.1 R63.1 R66.1 R69.2
Net-(J19-Pad2): J19.2 L114.1 U6.3
Net-(J19-Pad3): J19.3 J30.2 J30.4
Net-(J21-Pad1): J21.1 R90.1
Net-(J28-Pad1): J28.1 R93.1
Net-(J31-Pad1): J31.1 T1.4 T2.4
Net-(L1-Pad2): L1.2 U19.2
Net-(L2-Pad2): L2.2 U21.2
Net-(L3-Pad1): L3.1 U43.1 U44.1
Net-(L6-Pad2): L6.2 L7.1
Net-(L8-Pad2): L8.2 L9.1
Net-(L15-Pad2): L15.2 L16.1
Net-(L18-Pad2): L18.2 L19.1
Net-(L21-Pad2): L21.2 L22.1
Net-(L24-Pad2): L24.2 L25.1
Net-(L33-Pad2): L33.2 L34.1
Net-(L38-Pad1): L38.1 L39.2
Net-(L42-Pad2): L42.2 L43.1 R143.2
Net-(L43-Pad2): L43.2 R143.1 R147.2 U74.3
Net-(L45-Pad1): L45.1 L46.2
Net-(L51-Pad2): L51.2 L52.2 U97.2
Net-(L57-Pad2): L57.2 L58.1
Net-(L60-Pad2): L60.2 R221.2 U103.2
Net-(L69-Pad2): L69.2 U81.3
Net-(L74-Pad1): L74.1 L75.2
Net-(L76-Pad1): L76.1 L77.2
Net-(L83-Pad2): L83.2 U86.3 U131.1
Net-(L84-Pad2): L84.2 U86.9 U136.1
Net-(L85-Pad2): L85.2 U126.1 U131.4
Net-(L86-Pad2): L86.2 U99.10 U136.4
Net-(L93-Pad2): L93.2 R307.2 U152.3
Net-(L95-Pad2): L95.2 R338.2 U154.3
Net-(L97-Pad2): L97.2 R360.2 U156.3
Net-(L100-Pad2): L100.2 L101.2 U144.2
Net-(L105-Pad1): L105.1 L106.2
Net-(L107-Pad1): L107.1 L108.2
Net-(L114-Pad2): L114.2 R223.2 R229.2
Net-(L115-Pad1): L115.1 L116.2 L117.2 L118.2
Net-(L119-Pad2): L119.2 U90.2
Net-(L121-Pad2): L121.2 P64.2 U35.10 U164.4
Net-(L122-Pad2): L122.2 U35.9 U165.4
Net-(L124-Pad2): L124.2 U35.3 U166.4
Net-(P1-Pad3): P1.3 R235.1
Net-(P43-Pad2): P43.2 U9.10 U10.11
Net-(P59-Pad2): P59.2 U36.2 U41.1
Net-(P74-Pad2): P74.2 U41.6 U44.11
Net-(Q1-PadG): Q1.G Q2.G R21.2 R22.2 R23.2 R24.2
Net-(Q3-Pad1): Q3.1 R46.1
Net-(Q4-Pad1): Q4.1 R47.1
Net-(Q5-Pad1): Q5.1 R50.1
Net-(Q6-Pad1): Q6.1 R51.1
Net-(Q7-PadG): Q7.G Q8.G R187.2 R188.2 R191.2 R192.2
Net-(R1-Pad1): R1.1 U110.5
Net-(R4-Pad2): R4.2 U12.26
Net-(R5-Pad1): R5.1 U9.3
Net-(R6-Pad1): R6.1 U9.9
Net-(R7-Pad1): R7.1 U10.2
Net-(R9-Pad1): R9.1 U9.7
Net-(R10-Pad2): R10.2 U9.13
Net-(R11-Pad2): R11.2 U10.5